# Altium PCB CC_V1.4.PcbDoc (part 5 of 8) (continued)
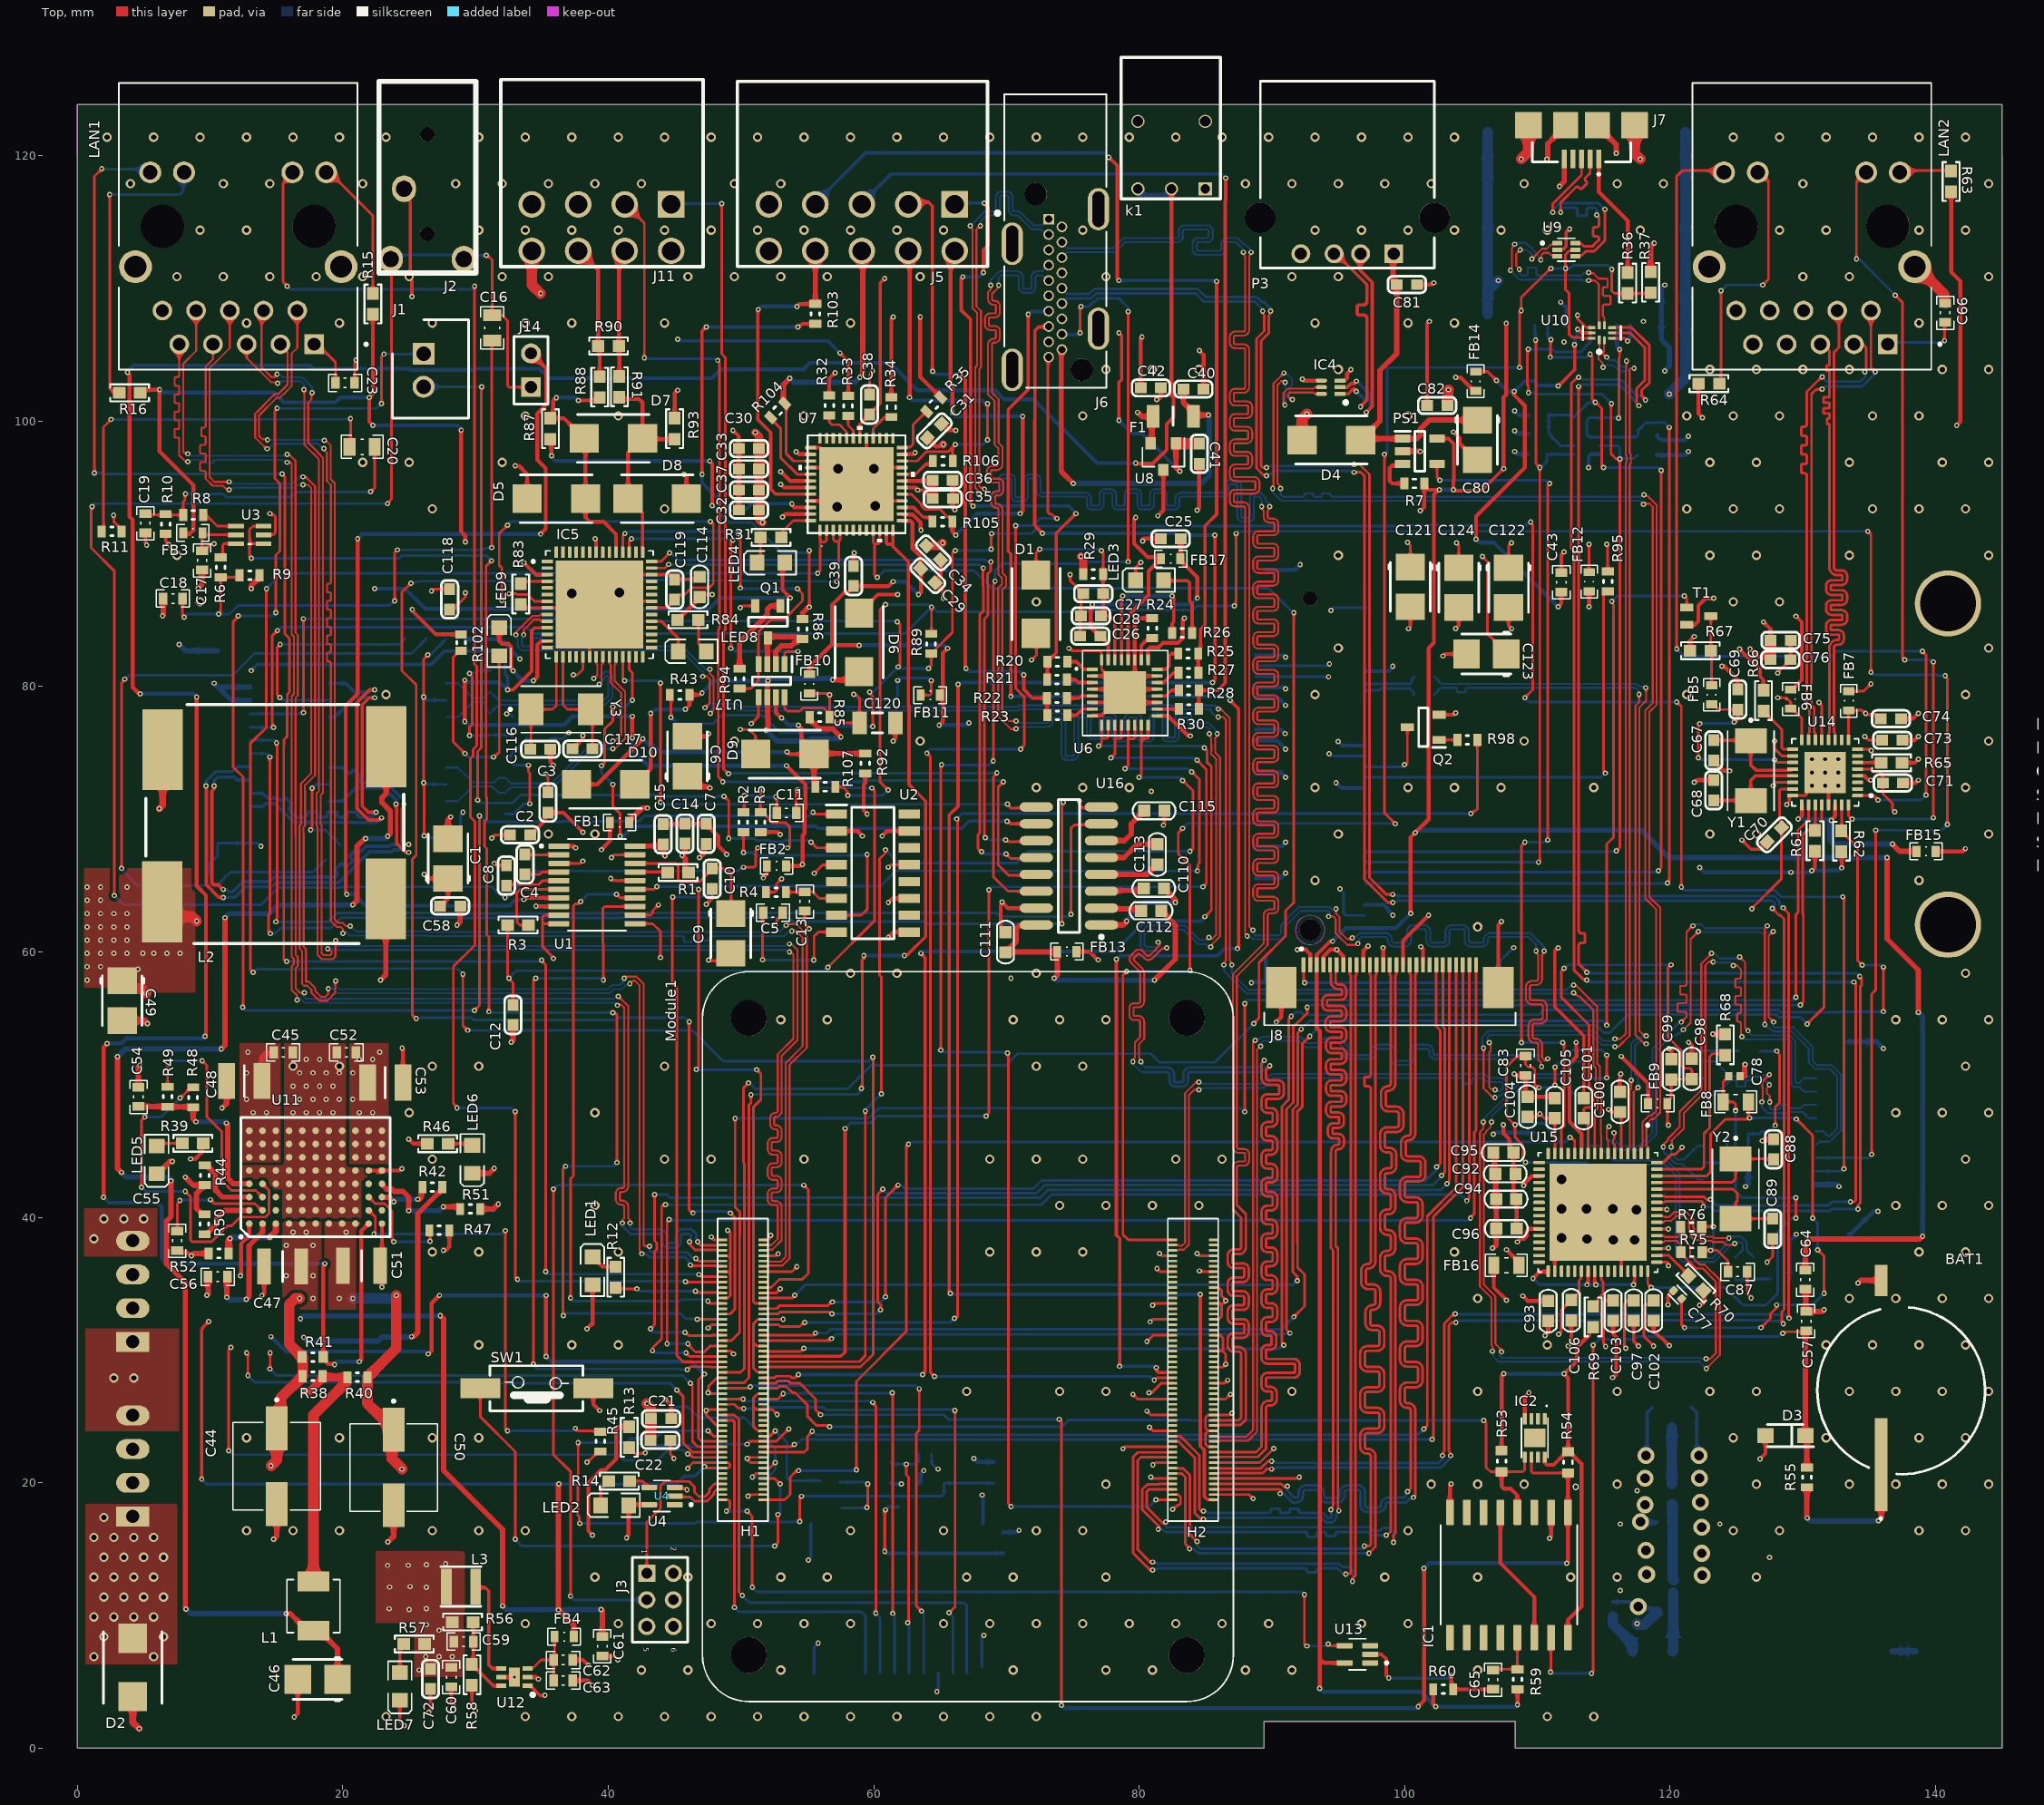
[diagram p0: Top view]
## Nets (pads, with @x,y where several pads share a name; then routed paths per layer and width w, separated by ;. In a path a pad name is that pad's centre, name@x,y a point inside that pad or via, vN(x,y) a via of type N, cw(c..) or ccw(c..) an arc to the next point about the centre after c; other vN are vias at no path point) (continued)
  Bottom w0.15: v1(68.036,114.716) 68.024,114.728 68.024,115.029 68.493,115.498 68.833,115.498 69.058,115.498 ccw(c69.058,115.948) 69.508,115.948 69.508,116.895 cw(c69.606,116.895) 69.606,116.992 70.061,116.992 cw(c70.061,116.895) 70.158,116.895 70.158,115.948 ccw(c70.608,115.948) 70.608,115.498 70.851,115.498 71.896,114.453 72.359,114.453 72.587,114.453 J6.3@73.015,114.025 ; v1(68.35,94.875) 68.623,94.602 69.039,94.602 69.264,94.602 ccw(c69.264,94.752) 69.414,94.752 69.414,95.583 cw(c69.812,95.583) 69.812,95.981 70.267,95.981 cw(c70.267,95.583) 70.664,95.583 70.664,94.353 ccw(c70.762,94.353) 70.762,94.255 71.217,94.255 ccw(c71.217,94.353) 71.314,94.353 71.314,95.583 cw(c71.712,95.583) 71.712,95.981 72.167,95.981 cw(c72.167,95.583) 72.564,95.583 72.564,94.752 ccw(c72.714,94.752) 72.714,94.602 75.914,94.602 cw(c75.914,94.152) 76.364,94.152 76.364,93.726 ccw(c76.461,93.726) 76.461,93.629 76.916,93.629 ccw(c76.916,93.726) 77.014,93.726 77.014,94.478 cw(c77.411,94.478) 77.411,94.875 77.866,94.875 cw(c77.866,94.478) 78.264,94.478 78.264,93.726 ccw(c78.361,93.726) 78.361,93.629 78.816,93.629 ccw(c78.816,93.726) 78.914,93.726 78.914,94.478 cw(c79.311,94.478) 79.311,94.875 79.766,94.875 cw(c79.766,94.478) 80.164,94.478 80.164,93.726 ccw(c80.261,93.726) 80.261,93.629 80.716,93.629 ccw(c80.716,93.726) 80.814,93.726 80.814,94.478 cw(c81.211,94.478) 81.211,94.875 81.666,94.875 cw(c81.666,94.478) 82.064,94.478 82.064,93.726 ccw(c82.161,93.726) 82.161,93.629 82.616,93.629 ccw(c82.616,93.726) 82.714,93.726 82.714,94.152 cw(c83.164,94.152) 83.164,94.602 83.915,94.602 85.019,94.602 85.307,94.602 86.288,94.602 ccw(c86.288,94.752) 86.438,94.752 86.438,95.151 cw(c86.835,95.151) 86.835,95.548 87.29,95.548 cw(c87.29,95.151) 87.688,95.151 87.688,92.822 ccw(c87.785,92.822) 87.785,92.725 88.24,92.725 ccw(c88.24,92.822) 88.338,92.822 88.338,94.152 cw(c88.788,94.152) 88.788,94.602 89.013,94.602 89.137,94.602 89.525,94.214 89.525,93.998 89.754,93.769 89.754,93.621 v1(89.825,93.55)
HDMI_TX_2_P: J6.1 Module1.170 | length 193.6
  Top w0.15: v1(67.271,114.7) 67.271,114.632 67.433,114.471 67.433,114.342 67.433,112.323 67.433,108.521 67.779,108.174 67.779,104.181 67.65,104.052 67.65,102.711 67.65,102.042 67.65,101.775 67.65,95.541 67.65,95.1 67.65,94.975 67.821,94.804 67.821,94.555 v1(67.926,94.451) ; 87.05,40.601 87.05,43.75 cw(c87.5,43.75) 87.5,44.2 87.882,44.2 ccw(c87.882,44.298) 87.98,44.298 87.98,44.753 ccw(c87.882,44.753) 87.882,44.85 87.5,44.85 cw(c87.5,45.3) 87.05,45.3 87.05,58.3 89.375,60.625 89.375,62.75 cw(c89.825,62.75) 89.825,63.2 90.082,63.2 ccw(c90.082,63.298) 90.18,63.298 90.18,63.753 ccw(c90.082,63.753) 90.082,63.85 88.982,63.85 cw(c88.982,64.248) 88.585,64.248 88.585,64.703 cw(c88.982,64.703) 88.982,65.1 90.082,65.1 ccw(c90.082,65.198) 90.18,65.198 90.18,65.653 ccw(c90.082,65.653) 90.082,65.75 88.982,65.75 cw(c88.982,66.148) 88.585,66.148 88.585,66.603 cw(c88.982,66.603) 88.982,67 90.082,67 ccw(c90.082,67.098) 90.18,67.098 90.18,67.553 ccw(c90.082,67.553) 90.082,67.65 88.982,67.65 cw(c88.982,68.048) 88.585,68.048 88.585,68.503 cw(c88.982,68.503) 88.982,68.9 90.082,68.9 ccw(c90.082,68.998) 90.18,68.998 90.18,69.453 ccw(c90.082,69.453) 90.082,69.55 88.982,69.55 cw(c88.982,69.948) 88.585,69.948 88.585,70.403 cw(c88.982,70.403) 88.982,70.8 90.082,70.8 ccw(c90.082,70.898) 90.18,70.898 90.18,71.353 ccw(c90.082,71.353) 90.082,71.45 88.982,71.45 cw(c88.982,71.848) 88.585,71.848 88.585,72.303 cw(c88.982,72.303) 88.982,72.7 90.082,72.7 ccw(c90.082,72.798) 90.18,72.798 90.18,73.253 ccw(c90.082,73.253) 90.082,73.35 88.982,73.35 cw(c88.982,73.748) 88.585,73.748 88.585,74.203 cw(c88.982,74.203) 88.982,74.6 90.082,74.6 ccw(c90.082,74.698) 90.18,74.698 90.18,75.153 ccw(c90.082,75.153) 90.082,75.25 88.982,75.25 cw(c88.982,75.648) 88.585,75.648 88.585,76.103 cw(c88.982,76.103) 88.982,76.5 90.082,76.5 ccw(c90.082,76.598) 90.18,76.598 90.18,77.053 ccw(c90.082,77.053) 90.082,77.15 88.982,77.15 cw(c88.982,77.548) 88.585,77.548 88.585,78.003 cw(c88.982,78.003) 88.982,78.4 90.082,78.4 ccw(c90.082,78.498) 90.18,78.498 90.18,78.953 ccw(c90.082,78.953) 90.082,79.05 88.982,79.05 cw(c88.982,79.448) 88.585,79.448 88.585,79.903 cw(c88.982,79.903) 88.982,80.3 90.082,80.3 ccw(c90.082,80.398) 90.18,80.398 90.18,80.853 ccw(c90.082,80.853) 90.082,80.95 88.982,80.95 cw(c88.982,81.348) 88.585,81.348 88.585,81.803 cw(c88.982,81.803) 88.982,82.2 90.082,82.2 ccw(c90.082,82.298) 90.18,82.298 90.18,82.753 ccw(c90.082,82.753) 90.082,82.85 88.982,82.85 cw(c88.982,83.248) 88.585,83.248 88.585,83.703 cw(c88.982,83.703) 88.982,84.1 90.082,84.1 ccw(c90.082,84.198) 90.18,84.198 90.18,84.653 ccw(c90.082,84.653) 90.082,84.75 88.982,84.75 cw(c88.982,85.148) 88.585,85.148 88.585,85.603 cw(c88.982,85.603) 88.982,86 90.082,86 ccw(c90.082,86.098) 90.18,86.098 90.18,86.553 ccw(c90.082,86.553) 90.082,86.65 88.982,86.65 cw(c88.982,87.048) 88.585,87.048 88.585,87.503 cw(c88.982,87.503) 88.982,87.9 90.082,87.9 ccw(c90.082,87.998) 90.18,87.998 90.18,88.453 ccw(c90.082,88.453) 90.082,88.55 88.982,88.55 cw(c88.982,88.948) 88.585,88.948 88.585,89.403 cw(c88.982,89.403) 88.982,89.8 90.082,89.8 ccw(c90.082,89.898) 90.18,89.898 90.18,90.353 ccw(c90.082,90.353) 90.082,90.45 88.982,90.45 cw(c88.982,90.847) 88.585,90.847 88.585,91.302 cw(c88.982,91.302) 88.982,91.7 90.082,91.7 ccw(c90.082,91.797) 90.18,91.797 90.18,92.252 ccw(c90.082,92.252) 90.082,92.35 89.825,92.35 cw(c89.825,92.8) 89.375,92.8 89.375,93.252 89.225,93.402 v1(89.225,93.55)
  Top w0.2: Module1.170@85.584,24.72 86.034,24.72 86.059,24.695 87.478,24.695 87.681,24.898 87.681,27.725 87.681,28.775 87.681,29.4 87.681,29.675 ccw(c87.481,29.675) 87.481,29.875 87.122,29.875 cw(c87.122,30.33) 86.667,30.33 86.667,30.82 cw(c87.122,30.82) 87.122,31.275 87.8,31.275 ccw(c87.8,31.38) 87.905,31.38 87.905,31.87 ccw(c87.8,31.87) 87.8,31.975 87.122,31.975 cw(c87.122,32.43) 86.667,32.43 86.667,32.92 cw(c87.122,32.92) 87.122,33.375 87.8,33.375 ccw(c87.8,33.48) 87.905,33.48 87.905,33.97 ccw(c87.8,33.97) 87.8,34.075 87.122,34.075 cw(c87.122,34.53) 86.667,34.53 86.667,35.02 cw(c87.122,35.02) 87.122,35.475 87.8,35.475 ccw(c87.8,35.58) 87.905,35.58 87.905,36.07 ccw(c87.8,36.07) 87.8,36.175 87.122,36.175 cw(c87.122,36.63) 86.667,36.63 86.667,37.12 cw(c87.122,37.12) 87.122,37.575 87.481,37.575 ccw(c87.481,37.775) 87.681,37.775 87.681,39.182 87.681,39.97 87.05,40.601
  Bottom w0.15: v1(67.271,114.7) 68.369,115.798 68.833,115.798 69.058,115.798 ccw(c69.058,115.948) 69.208,115.948 69.208,116.895 cw(c69.606,116.895) 69.606,117.292 70.061,117.292 cw(c70.061,116.895) 70.458,116.895 70.458,115.948 ccw(c70.608,115.948) 70.608,115.798 70.975,115.798 72.02,114.753 72.359,114.753 72.698,114.753 J6.1@73.125,115.18 ; v1(67.926,94.451) 68.074,94.302 69.039,94.302 69.264,94.302 ccw(c69.264,94.752) 69.714,94.752 69.714,95.583 cw(c69.812,95.583) 69.812,95.681 70.267,95.681 cw(c70.267,95.583) 70.364,95.583 70.364,94.353 ccw(c70.762,94.353) 70.762,93.955 71.217,93.955 ccw(c71.217,94.353) 71.614,94.353 71.614,95.583 cw(c71.712,95.583) 71.712,95.681 72.167,95.681 cw(c72.167,95.583) 72.264,95.583 72.264,94.752 ccw(c72.714,94.752) 72.714,94.302 75.914,94.302 cw(c75.914,94.152) 76.064,94.152 76.064,93.726 ccw(c76.461,93.726) 76.461,93.329 76.916,93.329 ccw(c76.916,93.726) 77.314,93.726 77.314,94.478 cw(c77.411,94.478) 77.411,94.575 77.866,94.575 cw(c77.866,94.478) 77.964,94.478 77.964,93.726 ccw(c78.361,93.726) 78.361,93.329 78.816,93.329 ccw(c78.816,93.726) 79.214,93.726 79.214,94.478 cw(c79.311,94.478) 79.311,94.575 79.766,94.575 cw(c79.766,94.478) 79.864,94.478 79.864,93.726 ccw(c80.261,93.726) 80.261,93.329 80.716,93.329 ccw(c80.716,93.726) 81.114,93.726 81.114,94.478 cw(c81.211,94.478) 81.211,94.575 81.666,94.575 cw(c81.666,94.478) 81.764,94.478 81.764,93.726 ccw(c82.161,93.726) 82.161,93.329 82.616,93.329 ccw(c82.616,93.726) 83.014,93.726 83.014,94.152 cw(c83.164,94.152) 83.164,94.302 83.915,94.302 85.019,94.302 85.307,94.302 86.288,94.302 ccw(c86.288,94.752) 86.738,94.752 86.738,95.151 cw(c86.835,95.151) 86.835,95.248 87.29,95.248 cw(c87.29,95.151) 87.388,95.151 87.388,92.822 ccw(c87.785,92.822) 87.785,92.425 88.24,92.425 ccw(c88.24,92.822) 88.638,92.822 88.638,94.152 cw(c88.788,94.152) 88.788,94.302 89.013,94.302 89.225,94.09 v1(89.225,93.55)
HDMI_TX_C_N: J6.12 Module1.190 | length 185.3
  Top w0.2: Module1.190@85.591,20.71 86.041,20.71 86.066,20.735 89.305,20.735 89.595,21.025 v1(89.975,21.025) ; v1(89.295,108.293) 89.295,108.109 89.42,107.984 89.42,107.672 89.42,106.788 88.83,106.198 88.83,96.493 88.83,96.464 89.356,95.939 89.585,95.939 v1(89.585,95.893) ; v1(96.19,96.14) 96.692,96.14 96.97,95.862 96.97,95.681 96.97,95.338 96.97,84.35 96.97,65.485 98.73,63.725 v1(99.105,63.725) ; v1(103.45,22.05) 103.45,22.233 103.325,22.358 103.325,31.85 103.55,32.075 103.853,32.075 v1(103.855,32.077) ; v1(127.696,63.281) 128.205,62.772 128.294,62.772 128.575,62.492 128.575,47.768 128.572,47.765 128.572,33.042 128.395,32.865 128.395,32.105 v1(128.525,31.975)
  Bottom w0.2: J6.12@74.177,108.78 74.177,108.88 74.527,109.229 75.191,109.229 75.999,109.229 76.003,109.234 76.231,109.234 76.376,109.234 76.757,109.615 84.25,109.615 84.874,108.99 88.735,108.99 89.295,108.43 v1(89.295,108.293) ; v1(89.585,95.893) 89.768,95.893 90.141,96.265 95.882,96.265 95.961,96.186 96.144,96.186 v1(96.19,96.14) ; v1(89.975,21.025) 90.158,21.025 90.283,21.15 93.025,21.15 93.029,21.146 93.2,21.146 93.202,21.148 102.731,21.148 103.45,21.867 v1(103.45,22.05) ; v1(99.105,63.725) 99.143,63.763 99.322,63.763 99.412,63.854 127.685,63.854 127.874,63.664 127.874,63.498 127.696,63.32 v1(127.696,63.281) ; v1(103.855,32.077) 103.909,32.077 104.039,32.206 104.114,32.206 104.128,32.219 118.578,32.219 118.6,32.241 127.49,32.241 127.559,32.172 128.274,32.172 128.471,31.975 v1(128.525,31.975)
HDMI_TX_C_P: J6.10 Module1.188 | length 185.6
  Top w0.2: Module1.188@85.591,21.11 86.041,21.11 86.066,21.085 89.16,21.085 89.7,21.625 v1(89.975,21.625) ; v1(89.585,96.493) 89.296,96.493 89.18,96.609 89.18,106.053 89.77,106.643 89.77,107.672 89.77,107.984 89.895,108.109 v1(89.895,108.293) ; v1(96.19,96.74) 96.587,96.74 97.35,95.977 97.35,95.681 97.35,95.338 97.35,84.35 97.35,65.6 98.625,64.325 v1(99.1,64.325) ; v1(102.85,22.05) 102.85,22.233 102.975,22.358 102.975,31.995 103.675,32.695 103.776,32.695 v1(103.814,32.733) ; v1(128.502,63.326) 128.925,62.904 128.925,47.623 128.922,47.62 128.922,32.427 v1(128.949,32.399)
  Bottom w0.2: J6.10@74.125,109.982 74.527,109.579 75.191,109.579 75.854,109.579 75.858,109.584 76.231,109.584 76.612,109.965 84.395,109.965 85.019,109.34 88.88,109.34 89.265,108.955 89.416,108.955 89.895,108.476 v1(89.895,108.293) ; v1(89.585,96.493) 89.658,96.493 89.78,96.615 95.882,96.615 96.007,96.74 v1(96.19,96.74) ; v1(89.975,21.625) 90.158,21.625 90.283,21.5 93.2,21.5 93.202,21.498 102.55,21.498 102.85,21.798 v1(102.85,22.05) ; v1(99.1,64.325) 99.138,64.287 99.327,64.287 99.41,64.204 127.83,64.204 128.224,63.809 128.224,63.593 128.492,63.326 v1(128.502,63.326) ; v1(103.814,32.733) 103.85,32.698 115.67,32.698 115.672,32.7 127.708,32.7 127.757,32.65 128.283,32.65 128.332,32.7 128.594,32.7 128.895,32.399 v1(128.949,32.399)
HDMI_VCC: C40.1 F1.1 J6.18 | length 28.8
  Top w0.4: J6.18@74.125,105.362 74.125,96.2 v1(75.025,95.3) ; C40.1@83.317,102.415 83.317,101.409 83.706,101.02 83.8,101.02 84.08,100.74 84.08,100.73 84.36,100.45 v1(85.224,100.45)
  Bottom w0.4: v1(75.025,95.3) 84.682,95.3 85.275,95.893 85.275,100.399 v1(85.224,100.45)
I2C_SCL1: IC1.1 IC2.6 Module1.56 R54.2 | length 105
  Top w0.2: Module1.56@51.671,27.51 52.632,27.51 52.801,27.679 53.549,27.679 53.718,27.51 54.415,27.51 55.625,26.3 55.625,25.5 v1(56,25.125) ; v1(73.975,24.783) 73.975,24.729 74.15,24.554 v1@74.15,3.2 ; IC2.6@109.543,21.93 109.543,20.857 109.663,20.737 R54.2@112.31,20.737 R54.2@112.295,20.722 ; IC1.1@112.295,17.77 IC1.1@112.3,17.765
  Top w0.3: v1(101.016,3.127) 101.016,3.144 101.45,3.578 v1(101.45,13.546) ; v1(112.21,13.94) 112.295,14.025 IC1.1@112.295,17.77 R54.2@112.295,20.722
  Bottom w0.2: v1(56,25.125) 65.275,25.125 65.625,24.775 73.967,24.775 v1(73.975,24.783)
  Bottom w0.3: v1(74.147,3.24) 74.152,3.24 74.367,3.025 100.887,3.025 100.989,3.127 v1(101.016,3.127) ; v1(101.45,13.546) 101.844,13.94 v1(112.21,13.94)
I2C_SDA1: IC1.4 IC2.5 Module1.58 R53.2 | length 67.9
  Top w0.2: Module1.58@51.671,27.11 52.727,27.11 52.875,27.258 53.404,27.258 53.887,26.775 54.082,26.775 55.016,25.84 55.016,24.987 55.693,24.31 56.598,24.31 v1(56.679,24.229) ; v1(105.96,24.695) 106.136,24.519 106.136,21.15 106.461,20.825 R53.2@107.293,20.825 108.904,20.825 109.042,20.963 IC2.5@109.042,21.93
  Top w0.3: R53.2@107.293,20.825 107.293,19.736 107.469,19.56 107.98,19.56 108.485,19.055 IC1.4@108.485,17.77
  Bottom w0.2: v1(56.679,24.229) 74.204,24.229 74.704,24.729 83.807,24.729 83.842,24.695 v1(105.96,24.695)
MicroUSB_C_N: J7.2 U9.6 | length 14.6
  Top w0.2: v1(111.75,115.72) 111.75,115.8 111.75,116.475 112.864,117.589 cw(c113.006,117.448) 113.147,117.589 113.203,117.532 ccw(c113.278,117.607) 113.352,117.532 113.698,117.879 ccw(c113.624,117.953) 113.698,118.027 113.642,118.084 cw(c113.783,118.225) 113.642,118.367 113.97,118.695 J7.2@113.97,119.748 ; U9.6@112.865,113.411 112.94,113.336 113.336,113.336 113.511,113.161 114.144,113.161 114.405,113.423 114.65,113.667 114.65,113.723 ccw(c114.45,113.723) 114.45,113.923 114.306,113.923 cw(c114.306,114.028) 114.201,114.028 114.201,114.518 cw(c114.306,114.518) 114.306,114.623 114.45,114.623 ccw(c114.45,114.823) 114.65,114.823 114.65,115.318 114.471,115.497 v1(114.471,115.535)
  Bottom w0.2: v1(111.75,115.72) 111.712,115.758 111.712,115.956 111.829,116.074 112.002,116.074 112.802,116.074 cw(c112.802,115.874) 113.002,115.874 113.002,115.56 ccw(c113.107,115.56) 113.107,115.455 113.597,115.455 ccw(c113.597,115.56) 113.702,115.56 113.702,115.874 cw(c113.902,115.874) 113.902,116.074 114.325,116.074 114.435,115.964 114.471,115.928 v1(114.471,115.535)
MicroUSB_C_P: J7.3 U9.4 | length 14.5
  Top w0.2: v1(111.15,115.72) 111.15,116.37 113.32,118.54 J7.3@113.32,119.748 ; U9.4@112.865,112.411 112.94,112.486 113.336,112.486 113.661,112.811 114.289,112.811 115.074,113.596 v1(115.074,115.959)
  Bottom w0.2: v1(111.15,115.72) 111.188,115.758 111.188,115.953 111.659,116.424 114.61,116.424 v1(115.074,115.959)
MicroUSB_N: U9.1 U10.6 | length 18.5
  Top w0.15: v1(108.634,111.427) 108.634,111.494 108.405,111.723 108.405,112.601 108.704,112.9 v1(108.704,112.903) ; v1(109.575,112.21) 109.575,112.215 110.344,112.983 110.698,112.983 111.025,113.311 111.385,113.311 U9.1@111.485,113.411 ; v1(113.85,111.192) 113.898,111.145 114.203,111.145 114.49,110.858 114.565,110.783 ; 114.566,110.782 ccw(c114.683,110.9) 114.683,110.734 115.183,110.734 cw(c115.183,110.636) 115.281,110.636 115.281,110.181 cw(c115.183,110.181) 115.183,110.084 115.022,110.084 ccw(c115.022,109.986) 114.925,109.986 114.925,109.531 ccw(c115.022,109.531) 115.022,109.434 115.411,109.434 cw(c115.411,109.336) 115.509,109.336 115.509,108.881 cw(c115.411,108.881) 115.411,108.784 115.075,108.784 ccw(c115.075,108.634) 114.925,108.634 114.925,107.914 115.05,107.789 115.05,107.507 U10.6@115.05,107.211
  Bottom w0.15: v1(108.634,111.427) 108.682,111.379 108.682,111.063 108.778,110.967 109.045,110.967 109.12,110.967 ccw(c109.12,111.117) 109.27,111.117 109.27,111.466 cw(c109.368,111.466) 109.368,111.563 109.823,111.563 cw(c109.823,111.466) 109.92,111.466 109.92,111.117 ccw(c110.07,111.117) 110.07,110.967 110.607,110.967 113.315,110.967 113.492,111.145 113.802,111.145 v1(113.85,111.192) ; v1(108.704,112.903) 109.226,112.903 109.575,112.554 v1(109.575,112.21)
MicroUSB_P: U9.3 U10.7 | length 16.7
  Top w0.15: v1(107.96,111.353) 107.96,111.407 108.072,111.519 108.072,113.052 108.28,113.259 v1(108.28,113.327) ; v1(110.249,112.136) 110.297,112.184 110.297,112.512 110.468,112.683 110.853,112.683 111.025,112.511 111.385,112.511 U9.3@111.485,112.411 ; v1(113.85,110.592) 114.331,110.592 114.625,110.299 114.625,107.236 U10.7@114.65,107.211
  Bottom w0.15: v1(107.96,111.353) 108.645,110.667 113.315,110.667 113.39,110.592 v1(113.85,110.592) ; v1(108.28,113.327) 108.348,113.327 108.452,113.432 109.101,113.432 109.33,113.203 109.35,113.203 109.875,112.678 109.875,112.658 110.104,112.429 110.104,112.349 110.249,112.204 v1(110.249,112.136)
MIPI_CLK_N: J8.11 Module1.187 | length 73.5
  Top w0.2: Module1.187@82.511,21.11 82.961,21.11 82.986,21.085 83.305,21.085 83.826,20.564 83.826,16.098 v1(84.353,15.57) ; v1@96.952,15.138 96.96,15.13 97.067,15.238 97.356,15.238 97.446,15.328 97.446,21.99 ccw(c97.246,21.99) 97.246,22.19 97.176,22.19 cw(c97.176,22.72) 96.646,22.72 96.646,23.56 cw(c97.176,23.56) 97.176,24.09 97.925,24.09 ccw(c97.925,24.27) 98.105,24.27 98.105,25.11 ccw(c97.925,25.11) 97.925,25.29 97.176,25.29 cw(c97.176,25.82) 96.646,25.82 96.646,26.66 cw(c97.176,26.66) 97.176,27.19 97.925,27.19 ccw(c97.925,27.37) 98.105,27.37 98.105,28.21 ccw(c97.925,28.21) 97.925,28.39 97.176,28.39 cw(c97.176,28.92) 96.646,28.92 96.646,29.76 cw(c97.176,29.76) 97.176,30.29 97.925,30.29 ccw(c97.925,30.47) 98.105,30.47 98.105,31.31 ccw(c97.925,31.31) 97.925,31.49 97.579,31.49 cw(c97.579,32.02) 97.049,32.02 97.049,32.86 cw(c97.579,32.86) 97.579,33.39 97.621,33.39 ccw(c97.621,33.57) 97.801,33.57 97.801,34.41 ccw(c97.621,34.41) 97.621,34.59 97.246,34.59 cw(c97.246,35.12) 96.716,35.12 96.716,35.96 cw(c97.246,35.96) 97.246,36.49 ccw(c97.246,36.69) 97.446,36.69 97.446,49.572 97.446,49.672 ccw(c97.246,49.672) 97.246,49.872 97.061,49.872 cw(c97.061,49.977) 96.956,49.977 96.956,50.467 cw(c97.061,50.467) 97.061,50.572 97.246,50.572 ccw(c97.246,50.772) 97.446,50.772 97.446,53.748 97.446,57.686 97.446,58.083 97.446,58.228 97.371,58.303 J8.11@97.371,58.953
  Bottom w0.2: v1(84.353,15.57) 84.353,15.259 84.579,15.034 96.847,15.034 96.952,15.138 v1(96.952,15.24)
MIPI_CLK_P: J8.12 Module1.189 | length 73.4
  Top w0.2: Module1.189@82.511,20.71 83.185,20.71 83.473,20.422 83.473,15.387 83.795,15.066 v1(83.795,15.011) ; v1(97.297,14.684) 97.796,15.183 97.796,21.715 97.796,21.99 ccw(c97.246,21.99) 97.246,22.54 97.176,22.54 cw(c97.176,22.72) 96.996,22.72 96.996,23.56 cw(c97.176,23.56) 97.176,23.74 97.925,23.74 ccw(c97.925,24.27) 98.455,24.27 98.455,25.11 ccw(c97.925,25.11) 97.925,25.64 97.176,25.64 cw(c97.176,25.82) 96.996,25.82 96.996,26.66 cw(c97.176,26.66) 97.176,26.84 97.925,26.84 ccw(c97.925,27.37) 98.455,27.37 98.455,28.21 ccw(c97.925,28.21) 97.925,28.74 97.176,28.74 cw(c97.176,28.92) 96.996,28.92 96.996,29.76 cw(c97.176,29.76) 97.176,29.94 97.925,29.94 ccw(c97.925,30.47) 98.455,30.47 98.455,31.31 ccw(c97.925,31.31) 97.925,31.84 97.579,31.84 cw(c97.579,32.02) 97.399,32.02 97.399,32.86 cw(c97.579,32.86) 97.579,33.04 97.621,33.04 ccw(c97.621,33.57) 98.151,33.57 98.151,34.41 ccw(c97.621,34.41) 97.621,34.94 97.246,34.94 cw(c97.246,35.12) 97.066,35.12 97.066,35.96 cw(c97.246,35.96) 97.246,36.14 ccw(c97.246,36.69) 97.796,36.69 97.796,58.083 97.796,58.228 97.871,58.303 J8.12@97.871,58.953
  Bottom w0.2: v1(83.795,15.011) 84.106,15.011 84.331,14.786 84.353,14.764 84.434,14.684 96.716,14.684 v1(97.297,14.684)
MIPI_PWM: J8.21 Module1.28 | length 75.1
  Top w0.2: Module1.28@51.664,33.12 52.697,33.12 52.932,33.356 56.542,33.356 56.816,33.63 v1(56.871,33.63) ; v1(60.884,34.011) 60.884,41.478 v1(61.824,42.418) ; J8.21@102.371,58.953 102.371,54.385 102.667,54.09 102.667,44.044 v1(102.413,43.79)
  Bottom w0.2: v1(56.871,33.63) 60.503,33.63 v1(60.884,34.011) ; v1(61.824,42.418) 62.078,42.418 62.332,42.164 72.022,42.164 72.629,42.77 101.571,42.77 v1@102.413,43.612
MIPI_RESET: J8.22 Module1.30 | length 77
  Top w0.2: Module1.30@51.664,32.72 52.792,32.72 52.946,32.874 56.632,32.874 56.786,32.72 v1(56.841,32.72) ; v1(60.503,33.02) 60.528,33.045 60.528,33.401 60.294,33.635 60.294,41.727 v1(60.681,42.113) ; v1(102.768,43.155) 103.021,43.408 103.021,54.23 102.87,54.381 102.871,54.383 J8.22@102.871,58.953
  Bottom w0.2: v1(56.841,32.72) 56.845,32.715 60.223,32.715 60.503,32.995 v1(60.503,33.02) ; v1(60.681,42.113) 60.98,41.814 72.264,41.814 72.87,42.42 102.11,42.42 102.641,42.951
MIPI_STBYB: J8.23 Module1.37 | length 92.5
  Top w0.2: v1(43.18,31.598) 43.485,31.902 43.485,37.426 43.656,37.597 43.656,38.056 43.485,38.228 v1(43.485,41.707) ; v1(45.771,31.318) 45.825,31.318 46.042,31.101 47.814,31.101 47.823,31.11 Module1.37@48.591,31.11 ; 103.371,42.716 J8.23@103.371,58.953
  Bottom w0.2: v1(43.18,31.598) 43.459,31.318 v1(45.771,31.318) ; v1(43.485,41.707) 44.425,41.707 44.668,41.464 72.539,41.464 73.145,42.07 102.726,42.07 v1(103.2,42.545)
MIPI_TD0_N: J8.5 Module1.175 | length 73.7
  Top w0.2: Module1.175@82.511,23.51 83.09,23.51 84.526,22.074 84.526,18.009 84.678,17.856 v1(84.836,17.856) ; J8.5@94.375,59.025 94.425,58.975 94.425,58.351 94.45,58.326 94.45,58.02 94.45,57.745 ccw(c95,57.745) 95,57.195 95.178,57.195 cw(c95.178,57.127) 95.246,57.127 95.246,56.809 cw(c95.178,56.809) 95.178,56.741 94.218,56.741 ccw(c94.218,56.323) 93.8,56.323 93.8,56.005 ccw(c94.218,56.005) 94.218,55.587 95.178,55.587 cw(c95.178,55.519) 95.246,55.519 95.246,55.201 cw(c95.178,55.201) 95.178,55.133 94.456,55.133 ccw(c94.456,54.715) 94.038,54.715 94.038,54.397 ccw(c94.456,54.397) 94.456,53.979 95.178,53.979 cw(c95.178,53.911) 95.246,53.911 95.246,53.593 cw(c95.178,53.593) 95.178,53.525 94.493,53.525 ccw(c94.493,53.107) 94.075,53.107 94.075,52.789 ccw(c94.493,52.789) 94.493,52.371 95.178,52.371 cw(c95.178,52.303) 95.246,52.303 95.246,51.985 cw(c95.178,51.985) 95.178,51.917 94.493,51.917 ccw(c94.493,51.499) 94.075,51.499 94.075,51.181 ccw(c94.493,51.181) 94.493,50.763 95.178,50.763 cw(c95.178,50.695) 95.246,50.695 95.246,50.377 cw(c95.178,50.377) 95.178,50.309 94.493,50.309 ccw(c94.493,49.891) 94.075,49.891 94.075,49.573 ccw(c94.493,49.573) 94.493,49.155 95.178,49.155 cw(c95.178,49.087) 95.246,49.087 95.246,48.769 cw(c95.178,48.769) 95.178,48.701 94.493,48.701 ccw(c94.493,48.283) 94.075,48.283 94.075,47.965 ccw(c94.493,47.965) 94.493,47.547 94.996,47.547 cw(c94.996,47.479) 95.064,47.479 95.064,47.161 cw(c94.996,47.161) 94.996,47.093 94.625,47.093 ccw(c94.625,46.675) 94.207,46.675 94.207,46.357 ccw(c94.625,46.357) 94.625,45.939 95,45.939 cw(c95,45.871) 95.068,45.871 95.068,45.553 cw(c95,45.553) 95,45.485 ccw(c95,44.935) 94.45,44.935 94.45,37.686 94.619,37.517 94.619,18.71 94.619,18.247 94.475,18.103 94.475,17.996 v1(94.437,17.958)
  Bottom w0.2: v1(84.836,17.856) 84.874,17.818 85.058,17.818 85.144,17.731 89.628,17.731 89.728,17.731 ccw(c89.728,17.931) 89.928,17.931 89.928,17.946 cw(c90.033,17.946) 90.033,18.051 90.523,18.051 cw(c90.523,17.946) 90.628,17.946 90.628,17.828 ccw(c90.733,17.828) 90.733,17.723 91.223,17.723 ccw(c91.223,17.828) 91.328,17.828 91.328,17.931 cw(c91.433,17.931) 91.433,18.036 91.923,18.036 cw(c91.923,17.931) 92.028,17.931 ccw(c92.228,17.931) 92.228,17.731 93.707,17.731 93.838,17.731 94.223,17.346 94.388,17.346 94.506,17.464 94.506,17.63 94.475,17.66 94.475,17.92 v1(94.437,17.958)
MIPI_TD0_P: J8.6 Module1.177 | length 73.6
  Top w0.2: Module1.177@82.511,23.11 82.961,23.11 84.176,21.896 84.176,17.733 84.653,17.256 v1(84.836,17.256) ; J8.6@94.875,59.025 94.825,58.975 94.825,58.351 94.8,58.326 94.8,58.02 94.8,57.745 ccw(c95,57.745) 95,57.545 95.178,57.545 cw(c95.178,57.127) 95.596,57.127 95.596,56.809 cw(c95.178,56.809) 95.178,56.391 94.218,56.391 ccw(c94.218,56.323) 94.15,56.323 94.15,56.005 ccw(c94.218,56.005) 94.218,55.937 95.178,55.937 cw(c95.178,55.519) 95.596,55.519 95.596,55.201 cw(c95.178,55.201) 95.178,54.783 94.456,54.783 ccw(c94.456,54.715) 94.388,54.715 94.388,54.397 ccw(c94.456,54.397) 94.456,54.329 95.178,54.329 cw(c95.178,53.911) 95.596,53.911 95.596,53.593 cw(c95.178,53.593) 95.178,53.175 94.493,53.175 ccw(c94.493,53.107) 94.425,53.107 94.425,52.789 ccw(c94.493,52.789) 94.493,52.721 95.178,52.721 cw(c95.178,52.303) 95.596,52.303 95.596,51.985 cw(c95.178,51.985) 95.178,51.567 94.493,51.567 ccw(c94.493,51.499) 94.425,51.499 94.425,51.181 ccw(c94.493,51.181) 94.493,51.113 95.178,51.113 cw(c95.178,50.695) 95.596,50.695 95.596,50.377 cw(c95.178,50.377) 95.178,49.959 94.493,49.959 ccw(c94.493,49.891) 94.425,49.891 94.425,49.573 ccw(c94.493,49.573) 94.493,49.505 95.178,49.505 cw(c95.178,49.087) 95.596,49.087 95.596,48.769 cw(c95.178,48.769) 95.178,48.351 94.493,48.351 ccw(c94.493,48.283) 94.425,48.283 94.425,47.965 ccw(c94.493,47.965) 94.493,47.897 94.996,47.897 cw(c94.996,47.479) 95.414,47.479 95.414,47.161 cw(c94.996,47.161) 94.996,46.743 94.625,46.743 ccw(c94.625,46.675) 94.557,46.675 94.557,46.357 ccw(c94.625,46.357) 94.625,46.289 95,46.289 cw(c95,45.871) 95.418,45.871 95.418,45.553 cw(c95,45.553) 95,45.135 ccw(c95,44.935) 94.8,44.935 94.8,37.831 94.969,37.662 94.969,18.71 94.969,18.21 94.999,18.18 94.999,17.92 v1(95.037,17.882)
  Bottom w0.2: v1(84.836,17.256) 84.874,17.294 85.058,17.294 85.144,17.381 93.707,17.368 94.078,16.996 94.533,16.996 94.856,17.319 94.856,17.593 94.999,17.736 94.999,17.843 v1(95.037,17.882)
MIPI_TD1_N: J8.8 Module1.181 | length 73.7
  Top w0.2: v1(81.001,13.421) 80.817,13.421 79.527,14.711 79.527,21.92 79.893,22.285 82.036,22.285 82.061,22.31 Module1.181@82.511,22.31 ; v1(95.555,13.106) 95.58,13.132 95.91,13.132 95.946,13.168 95.946,58.228 95.871,58.303 J8.8@95.871,58.953
  Bottom w0.2: v1(81.001,13.421) 81.184,13.421 81.309,13.546 91.65,13.546 92.45,13.546 cw(c92.45,13.346) 92.65,13.346 ccw(c92.755,13.346) 92.755,13.241 93.245,13.241 ccw(c93.245,13.346) 93.35,13.346 cw(c93.55,13.346) 93.55,13.546 93.911,13.546 94.927,13.546 95.367,13.106 v1(95.555,13.106)
MIPI_TD1_P: J8.9 Module1.183 | length 73.7
  Top w0.2: v1(81.001,14.021) 80.823,14.021 79.877,14.966 79.877,21.686 80.127,21.935 82.036,21.935 82.061,21.91 Module1.183@82.511,21.91 ; v1(96.063,12.573) 96.063,12.789 96.296,13.023 96.296,18.339 96.296,58.228 96.371,58.303 J8.9@96.371,58.953
  Bottom w0.2: v1(81.001,14.021) 81.184,14.021 81.309,13.896 95.072,13.896 95.308,13.66 95.784,13.66 96.109,13.336 96.109,12.619 v1(96.063,12.573)
MIPI_TD2_N: J8.14 Module1.193 | length 73.6
  Top w0.2: v1(81.432,16.485) 81.541,16.593 81.541,16.669 80.227,17.982 80.227,19.496 80.595,19.863 81.405,19.863 81.452,19.91 Module1.193@82.511,19.91 ; v1(98.603,16.053) 98.674,16.053 98.946,16.325 98.946,35.11 98.946,35.385 ccw(c98.746,35.385) 98.746,35.585 98.676,35.585 cw(c98.676,36.115) 98.146,36.115 98.146,36.955 cw(c98.676,36.955) 98.676,37.485 98.766,37.485 ccw(c98.766,37.665) 98.946,37.665 98.946,38.505 ccw(c98.766,38.505) 98.766,38.685 98.676,38.685 cw(c98.676,39.215) 98.146,39.215 98.146,40.055 cw(c98.676,40.055) 98.676,40.585 98.766,40.585 ccw(c98.766,40.765) 98.946,40.765 98.946,41.605 ccw(c98.766,41.605) 98.766,41.785 98.676,41.785 cw(c98.676,42.315) 98.146,42.315 98.146,43.155 cw(c98.676,43.155) 98.676,43.685 98.84,43.685 ccw(c98.84,43.865) 99.02,43.865 99.02,44.705 ccw(c98.84,44.705) 98.84,44.885 98.676,44.885 cw(c98.676,45.415) 98.146,45.415 98.146,46.255 cw(c98.676,46.255) 98.676,46.785 99.375,46.785 ccw(c99.375,46.965) 99.555,46.965 99.555,47.805 ccw(c99.375,47.805) 99.375,47.985 98.746,47.985 cw(c98.746,48.515) 98.216,48.515 98.216,49.355 cw(c98.746,49.355) 98.746,49.885 ccw(c98.746,50.085) 98.946,50.085 98.946,57.957 98.946,58.228 98.871,58.303 J8.14@98.871,58.953
  Bottom w0.2: v1(81.432,16.485) 81.744,16.485 81.829,16.399 81.932,16.296 91.676,16.296 92.476,16.296 cw(c92.476,16.096) 92.676,16.096 92.676,16.016 ccw(c92.781,16.016) 92.781,15.911 93.271,15.911 ccw(c93.271,16.016) 93.376,16.016 93.376,16.191 cw(c93.481,16.191) 93.481,16.296 93.971,16.296 cw(c93.971,16.191) 94.076,16.191 94.076,16.096 ccw(c94.181,16.096) 94.181,15.991 94.671,15.991 ccw(c94.671,16.096) 94.776,16.096 cw(c94.976,16.096) 94.976,16.296 96.847,16.296 97.248,16.296 97.492,16.053 v1(98.603,16.053)